# KiCad board mainboard.kicad_pcb (continued)
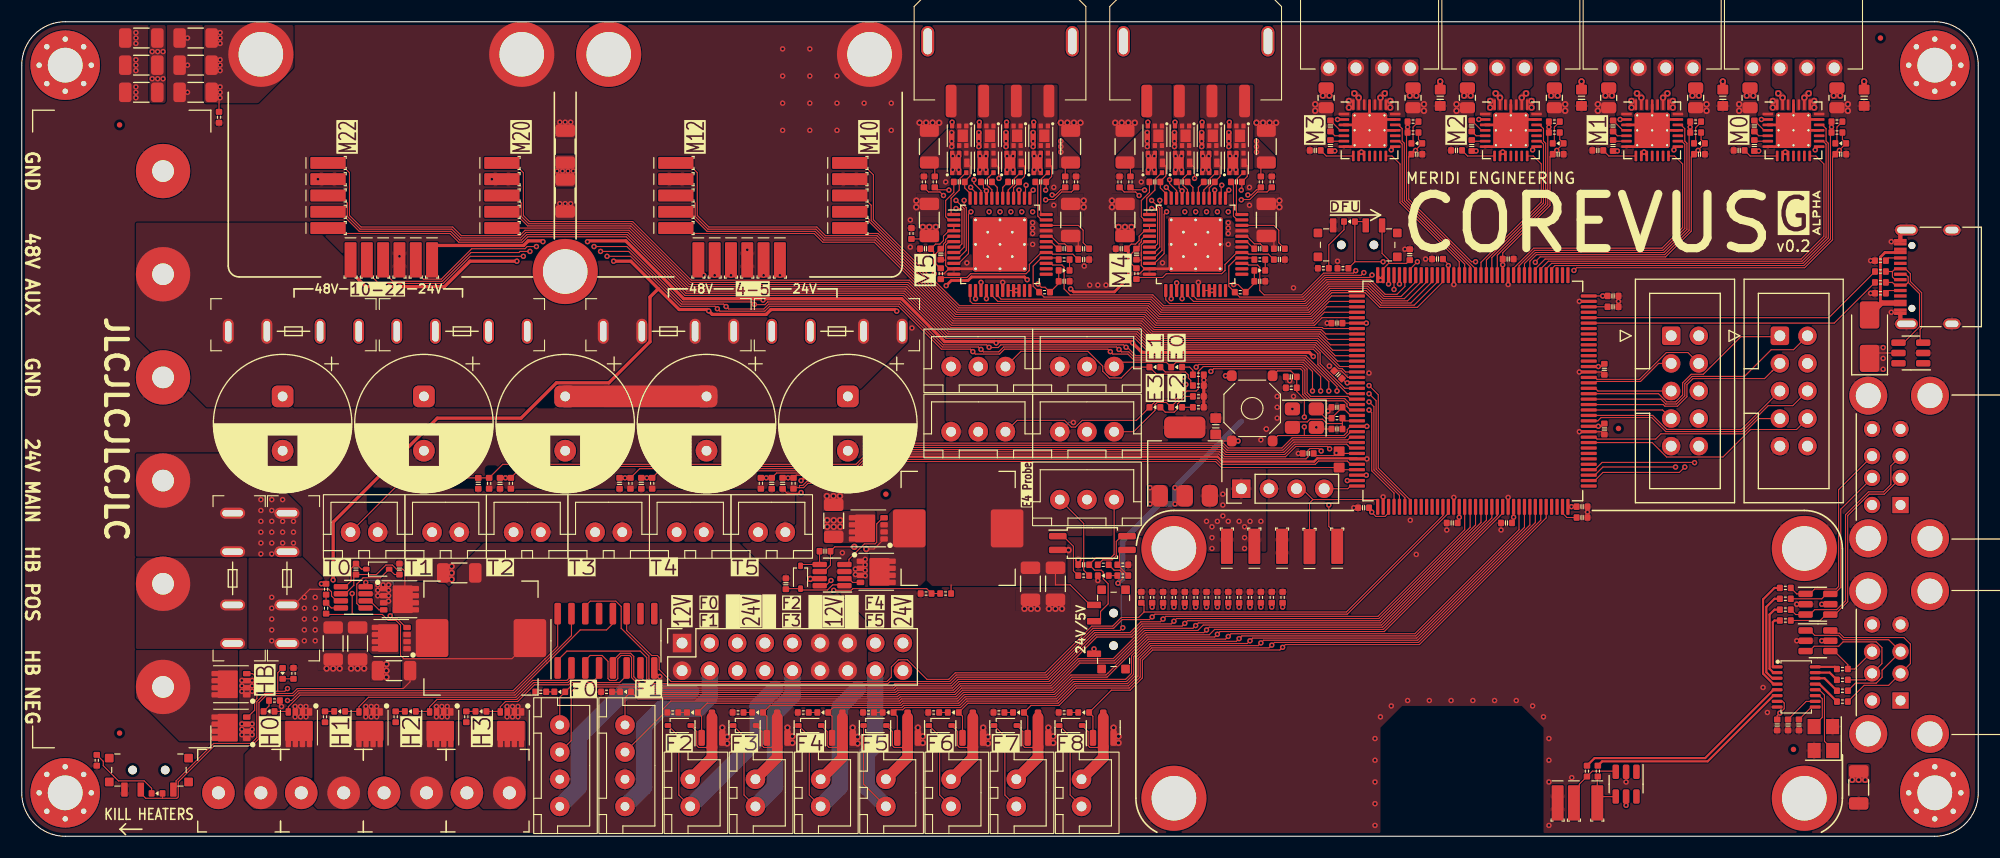
[diagram p0: board, top side]
## Routing (per net, layer and track width the routed paths; a pad name or vN(x,y) marks a point on that pad's centre or on a via; arc(x,y) is an arc through that point) (continued)
/Motor 4 (TMCx160)/Motor_A1: length 3.8
  Top w0.1: Q6.7 110.25,61.7 110.25,60.75 C47.2 109.75,60.2 109.25,59.7 U11.40
/Motor 4 (TMCx160)/Motor_A2: length 4.9
  Top w0.1: Q4.7 112.75,61.7 112.75,60.75 C49.1 112.25,59.55 v1(112.2,59.5) ; U11.37 110.75,59.2 v1(111.05,59.5)
  In1.Cu w0.1: v1(112.2,59.5) v1(111.05,59.5)
/Motor 4 (TMCx160)/Motor_B1: length 3.8
  Top w0.1: Q10.7 105.25,61.7 105.25,60.8 104.75,60.3 C48.2 104.75,59.7 105.25,59.2 U11.48
/Motor 4 (TMCx160)/Motor_B2: length 5.2
  Top w0.1: 106.47,60.03 C50.1 ; Q8.7 107.9,61.55 v1(107.9,60.58) ; U11.45 v1(106.75,59.43) 106.47,59.7 106.47,60.25
  In1.Cu w0.1: v1(107.9,60.58) v1(106.75,59.43)
/Motor 4 (TMCx160)/SRAH: length 16.7
  Top w0.1: v1(112.8,59.05) 113.12,59.05 113.59,59.53 113.78,59.53 R33.2 ; v1(103.95,58.55) 104.7,57.8 104.7,54.25 104.2,53.75 U11.8
  In1.Cu w0.1: v1(112.8,59.05) 112.05,59.05 111.12,58.13 104.38,58.13 v1(103.95,58.55)
/Motor 4 (TMCx160)/SRAL: length 16.5
  Top w0.1: U11.7 104.2,54.25 104.5,54.55 104.5,57.72 104.42,57.8 v1(103.95,57.8) ; R34.2 114.57,59.33 113.68,59.33 112.98,58.63 112.22,58.63 v1(112.2,58.6)
  In1.Cu w0.1: v1(103.95,57.8) 104.07,57.93 111.21,57.93 111.88,58.6 v1(112.2,58.6)
/Motor 4 (TMCx160)/SRBH: length 9.5
  Top w0.1: 102.15,59.6 R36.2 102.22,59.53 103.28,59.53 v1(103.3,59.5) ; U11.9 104.2,53.25 104.9,53.95 104.9,57.88 104.7,58.08 v1(104.7,58.55)
  In1.Cu w0.1: v1(104.7,58.55) 103.75,59.5 v1(103.3,59.5)
/Motor 4 (TMCx160)/SRBL: length 11.5
  Top w0.1: v1(102.8,59) 102.47,59.33 101.43,59.33 R37.2 ; U11.10 104.2,52.75 105.1,53.65 105.1,57.28 v1(105.32,57.5)
  In1.Cu w0.1: v1(105.32,57.5) 104.3,57.5 104.15,57.35 103.75,57.35 103.5,57.6 103.5,58.3 v1(102.8,59)
/Motor 5 (TMCx160)/CA1: length 1.7
  Top w0.1: C62.1 90.25,59.75 U12.42
/Motor 5 (TMCx160)/CA2: length 4.2
  Top w0.1: C64.2 93.47,60.03 93.47,57.11 93.83,56.75 U12.35
/Motor 5 (TMCx160)/CB1: length 4.4
  Top w0.1: C63.1 85.75,59.28 85,58.53 85,57.05 85.3,56.75 U12.2
/Motor 5 (TMCx160)/CB2: length 1.7
  Top w0.1: U12.43 89.75,59.75 C65.2
/Motor 5 (TMCx160)/HA1: length 2.8
  Top w0.1: Q14.3 91.87,61.1 91.25,60.48 91.25,60 90.75,59.5 U12.41
/Motor 5 (TMCx160)/HA2: length 4.6
  Top w0.1: U12.36 93.75,57.25 93.75,60.48 94.37,61.1 Q12.3
/Motor 5 (TMCx160)/HB1: length 4.4
  Top w0.1: Q18.3 86.87,61.1 86.25,60.48 86.25,59.5 85.5,58.75 85.5,57.25
/Motor 5 (TMCx160)/HB2: length 2.8
  Top w0.1: U12.44 89.25,59.53 88.98,59.8 88.97,59.8 88.82,59.95 88.82,60.55 88.97,60.7 88.97,60.7 89.38,61.1 Q16.3
/Motor 5 (TMCx160)/LA1: length 8.2
  Top w0.1: Q15.3 v1(90.6,65.75) ; U12.39 v1(91.75,59.5)
  In1.Cu w0.1: v1(90.6,65.75) 90.1,65.25 90.1,61.15 v1(91.75,59.5)
/Motor 5 (TMCx160)/LA2: length 8.9
  Top w0.1: v1(92.4,59.95) 92.35,59.9 92.35,58.85 U12.38 ; Q13.3 v1(93.1,65.75)
  In1.Cu w0.1: v1(93.1,65.75) 94.15,64.7 94.15,61.2 92.9,59.95 v1(92.4,59.95)
/Motor 5 (TMCx160)/LB1: length 9.1
  Top w0.1: v1(87.3,59.75) 87.3,59.73 87.75,59.28 U12.47 ; Q19.3 v1(85.6,65.75)
  In1.Cu w0.1: v1(87.3,59.75) 86.55,59.75 85.1,61.2 85.1,65.25 v1(85.6,65.75)
/Motor 5 (TMCx160)/LB2: length 9.2
  Top w0.1: Q17.3 v1(88.1,65.75) ; U12.46 88.25,59.45 87.6,60.1 v1(87.6,60.45)
  In1.Cu w0.1: v1(88.1,65.75) 89.15,64.7 89.15,61.22 88.38,60.45 v1(87.6,60.45)
/Motor 5 (TMCx160)/Motor_A1: length 3.8
  Top w0.1: U12.40 91.25,59.7 91.75,60.2 C62.2 92.25,60.75 92.25,61.7 Q14.7
/Motor 5 (TMCx160)/Motor_A2: length 4.9
  Top w0.1: Q12.7 94.75,61.7 94.75,60.75 C64.1 94.25,59.55 v1(94.2,59.5) ; v1(93.05,59.5) 92.75,59.2 U12.37
  In1.Cu w0.1: v1(94.2,59.5) v1(93.05,59.5)
/Motor 5 (TMCx160)/Motor_B1: length 3.8
  Top w0.1: U12.48 87.25,59.2 86.75,59.7 C63.2 86.75,60.3 87.25,60.8 87.25,61.7 Q18.7
/Motor 5 (TMCx160)/Motor_B2: length 5.2
  Top w0.1: U12.45 v1(88.75,59.43) 88.47,59.7 88.47,60.25 ; 88.47,60.03 C65.1 ; v1(89.9,60.58) 89.9,61.55 Q16.7
  In1.Cu w0.1: v1(89.9,60.58) v1(88.75,59.43)
/Motor 5 (TMCx160)/SRAH: length 16.7
  Top w0.1: v1(85.95,58.55) 86.7,57.8 86.7,54.25 86.2,53.75 U12.8 ; R41.2 95.78,59.53 95.59,59.53 95.12,59.05 v1(94.8,59.05)
  In1.Cu w0.1: v1(85.95,58.55) 86.38,58.13 93.12,58.13 94.05,59.05 v1(94.8,59.05)
/Motor 5 (TMCx160)/SRAL: length 16.5
  Top w0.1: v1(94.2,58.6) 94.22,58.63 94.98,58.63 95.68,59.33 96.57,59.33 R42.2 ; U12.7 86.2,54.25 86.5,54.55 86.5,57.72 86.42,57.8 v1(85.95,57.8)
  In1.Cu w0.1: v1(85.95,57.8) 86.08,57.93 93.21,57.93 93.88,58.6 v1(94.2,58.6)
/Motor 5 (TMCx160)/SRBH: length 9.5
  Top w0.1: v1(85.3,59.5) 85.28,59.53 84.22,59.53 R44.2 84.15,59.6 ; v1(86.7,58.55) 86.7,58.08 86.9,57.88 86.9,53.95 86.2,53.25 U12.9
  In1.Cu w0.1: v1(86.7,58.55) 85.75,59.5 v1(85.3,59.5)
/Motor 5 (TMCx160)/SRBL: length 11.5
  Top w0.1: R45.2 83.42,59.33 84.47,59.33 v1(84.8,59) ; v1(87.33,57.5) 87.1,57.28 87.1,53.65 86.2,52.75 U12.10
  In1.Cu w0.1: v1(84.8,59) 85.5,58.3 85.5,57.6 85.75,57.35 86.15,57.35 86.3,57.5 v1(87.33,57.5)
/Pi Zero + USB Hub/D1+: length 10.5
  Top w0.2: R75.2 161.25,22.87 160.2,21.82 160.2,14.98 161.17,14.01 U13.4
/Pi Zero + USB Hub/D1+': length 17.5
  Top w0.1: R75.1 163.3,22.32 U2.1 ; 170.24,35 167.15,31.91 167.15,23 166.92,22.77 164.95,22.77 164.7,22.52
/Pi Zero + USB Hub/D1-: length 8.8
  Top w0.2: R76.2 161.25,21.87 160.5,21.12 160.5,15.1 161.05,14.55 U13.3
/Pi Zero + USB Hub/D1-': length 15
  Top w0.1: 170.24,33 167.35,30.11 167.35,22.92 166.95,22.52 ; R76.1 165.6,21.87 165.85,22.12
/Pi Zero + USB Hub/D2+: length 7
  Top w0.2: U13.2 161.16,15.07 160.8,15.43 160.8,20.42 161.25,20.87 R77.2
/Pi Zero + USB Hub/D2+': length 21.5
  Top w0.1: 164.55,20.47 164.95,20.87 166.97,20.87 167.79,21.68 167.79,29.61 169.89,31.71 171.29,31.71 171.96,32.38 171.96,34.1 172.86,35 ; U2.3 163.2,20.42 R77.1
/Pi Zero + USB Hub/D2-: length 4.8
  Top w0.2: R78.2 161.25,19.87 161.1,19.72 161.1,15.6
/Pi Zero + USB Hub/D2-': length 19.7
  Top w0.1: R78.1 165.45,19.87 165.95,20.37 ; U2.4 166.81,20.42 167.99,21.6 167.99,29.52 169.96,31.5 171.36,31.5 172.86,33
/Pi Zero + USB Hub/D3+: length 2.1
  Top w0.2: U13.16 166.8,15.6 R79.2
/Pi Zero + USB Hub/D3+': length 5
  Top w0.1: 170.24,17 168.64,15.4 R79.1 168,15.8 166.8,17
/Pi Zero + USB Hub/D3-: length 2.3
  Top w0.2: U13.15 166.33,15.07 R80.2
/Pi Zero + USB Hub/D3-': length 12.4
  Top w0.1: R80.1 169.64,14.4 171.14,15.9 171.14,17.37 170.61,17.9 167.56,17.9 167.16,17.5 164.9,17.5 164.5,17.1
/Pi Zero + USB Hub/D4+: length 2.5
  Top w0.2: R81.2 165.85,14.55 U13.14
/Pi Zero + USB Hub/D4+': length 15.8
  Top w0.1: 164.55,18.9 164.95,18.5 167.15,18.5 167.55,18.1 171.76,18.1 172.86,17 171.15,15.29 171.15,14.64 170.61,14.1 168.7,14.1 R81.1
/Pi Zero + USB Hub/D4-: length 2.7
  Top w0.2: R82.2 165.39,14.01 U13.13
/Pi Zero + USB Hub/D4-': length 16.8
  Top w0.1: 166.4,18.7 167.23,18.7 167.63,18.3 173.15,18.3 173.76,17.69 173.76,15.9 171.76,13.9 169.5,13.9 R82.1
/Pi Zero + USB Hub/DU+: length 19.2
  Top w0.2: R69.1 145.4,6.9 155.11,6.9 161.16,12.95 U13.6
/Pi Zero + USB Hub/DU+': length 5
  Top w0.1: R69.2 144.95,5.45 T45.1 ; 144.95,3.65 146.64,3.65 U4.4
/Pi Zero + USB Hub/DU-: length 20.4
  Top w0.2: R70.1 144.7,7.2 154.88,7.2 161.17,13.49 U13.5
/Pi Zero + USB Hub/DU-': length 4.2
  Top w0.1: 143.3,4.5 143.3,4.8 R70.2 144.5,6 146.59,6 U4.3
/Probe: length 2.8
  Top w0.1: R96.2 101.8,24.01 100.81,25 R11.1 101,25.2 101,26.25
/SD_CS: length 11.6
  Top w0.1: J28.4 153.29,44.54 151.31,44.54 148.84,42.08 144.93,42.08 144.75,42.25 U1.93
/SD_Det: length 7.9
  Top w0.1: J28.7 150.96,39.25 U1.87
/SPI1_MISO: length 125.7
  Top w0.1: v1(52.65,54.3) 55.67,54.3 60.77,49.2 67.17,49.2 v1(67.4,48.98) 67.42,48.95 68.38,48.95 68.62,49.2 68.62,49.2 80.83,49.2 84.78,45.25 88.78,45.25 v1(89,45.03) 89.03,45 89.82,45 90.07,45.25 101.38,45.25 v1(101.6,45.03) 101.71,45.03 102.48,44.25 118.15,44.25 121,41.4 v1(121,41) ; U11.16 v1(106.75,49.5) ; U12.16 v1(88.75,49.5) ; U1.42 127.25,31.17 124.6,33.82 124.6,40.1 v1(123.95,40.75) ; v1(47.35,54.3) 46.5,54.3 46.3,54.1 41.4,54.1 38.6,51.3 36.95,51.3 36.25,52
  In2.Cu w0.1: v1(88.75,49.5) 88.45,49.2 88.45,46.18 89,45.63 v1(89,45.03) ; v1(52.65,54.3) 52.65,54.75 51.85,55.55 48.15,55.55 47.35,54.75 v1(47.35,54.3) ; v1(123.95,40.75) 121.25,40.75 v1(121,41) ; v1(101.6,45.03) 101.6,45.51 101.94,45.85 103.42,45.85 106.75,49.18 v1(106.75,49.5) ; v1(67.4,48.98) 67.4,50.8 v1(68.25,51.65)
/SPI1_MOSI: length 132.8
  Top w0.1: 33.25,52 34.15,51.1 38.68,51.1 41.33,53.75 45.75,53.75 45.85,53.85 v1(46.75,53.85) ; U12.15 v1(88.25,51) ; U11.15 v1(106.25,50.95) ; U1.43 127.75,30.95 124.8,33.9 124.8,40.65 v1(123.95,41.5) ; v1(120.25,41) 120.25,41.87 118.07,44.05 102.4,44.05 101.85,44.6 101.18,44.6 v1(100.95,44.83) 100.72,45.05 90.33,45.05 89.88,44.6 88.47,44.6 v1(88.25,44.83) 88.03,45.05 84.7,45.05 80.75,49 68.72,49 68.28,48.55 65.03,48.55 v1(64.8,48.78) 64.58,49 60.69,49 55.84,53.85 v1(53.25,53.85)
  In2.Cu w0.1: v1(88.25,51) v1(88.25,44.83) ; 106.25,51 106.25,48.96 103.34,46.05 101.86,46.05 100.95,45.14 v1(100.95,44.83) ; v1(64.8,48.78) 64.8,51.2 v1(65.25,51.65) ; v1(53.25,53.85) 52.32,53.85 51.22,54.95 48.78,54.95 47.68,53.85 v1(46.75,53.85) ; v1(123.95,41.5) 123.65,41.2 121.45,41.2 121.2,41.45 120.7,41.45 v1(120.25,41)
/SPI1_SCK: length 131
  Top w0.1: v1(123.95,40) 124.4,39.55 124.4,33.73 126.75,31.38 U1.41 ; 31.75,52 32.85,50.9 38.77,50.9 41.27,53.4 v1(46.15,53.4) ; U12.14 v1(87.75,49.5) ; v1(53.85,53.4) 56.01,53.4 60.61,48.8 63.78,48.8 v1(64,48.58) 64.22,48.35 68.36,48.35 68.81,48.8 80.66,48.8 84.61,44.85 87.28,44.85 v1(87.5,44.63) 87.72,44.4 89.97,44.4 90.42,44.85 99.93,44.85 v1(100.15,44.63) 100.38,44.4 101.77,44.4 102.32,43.85 117.98,43.85 119.5,42.33 v1(119.5,41) ; 63.75,52 v1(63.75,51.65) ; U11.14 v1(105.75,49.5)
  In2.Cu w0.1: v1(123.95,40) 123.4,40.55 119.95,40.55 v1(119.5,41) ; v1(64,48.58) 64,51.4 v1(63.75,51.65) ; v1(105.75,49.5) 105.75,48.75 103.25,46.25 101.78,46.25 v1(100.15,44.63) ; v1(46.15,53.4) 47.51,53.4 48.86,54.75 51.14,54.75 52.49,53.4 v1(53.85,53.4) ; v1(87.75,49.5) 88.05,49.2 88.05,45.6 87.5,45.05 v1(87.5,44.63)
/SPI2_MISO: length 21.1
  Top w0.1: v1(152.15,34) 145.47,34 144.72,33.25 U1.75
  In2.Cu w0.1: 152.75,35.95 152.75,34.75 152.15,34.15 v1(152.15,34) ; 152.75,35.95 152.75,35.9 ; 152.75,35.95 152.75,45.08 J28.1
/SPI2_MOSI: length 17.3
  Top w0.1: v1(153.9,34.4) 153.88,34.43 145.39,34.43 144.72,33.75 U1.76
  In2.Cu w0.1: v1(153.9,34.4) 153.29,35.01 153.29,40 J28.6
/SPI2_SCK: length 22
  Top w0.1: U1.74 144.72,32.75 145.47,33.5 152.5,33.5 v1(153,34)
  In2.Cu w0.1: J28.2 153,44.79 v1(153,34)
/T0: length 96.8
  Top w0.1: U1.26 122.28,37.25 121.73,36.7 116.89,36.7 115.94,35.75 110.99,35.75 110.54,36.2 78.7,36.2 76.75,34.25 44.25,34.25 R15.1 C6.2 35.25,33 J8.2
/T1: length 89.6
  Top w0.1: C7.2 v1(44.5,33) R16.1 46.05,34.05 76.83,34.05 78.78,36 110.46,36 110.91,35.55 116.02,35.55 116.97,36.5 122,36.5 122.25,36.75 U1.27
  In2.Cu w0.1: J7.2 42.75,33 v1(44.5,33)
/T2: length 81.9
  Top w0.1: C8.2 v1(55.5,33) R17.1 56.85,33.85 76.92,33.85 78.87,35.8 110.37,35.8 110.82,35.35 116.1,35.35 117.05,36.3 122.2,36.3 122.25,36.25 U1.28
  In2.Cu w0.1: v1(55.5,33) 51.55,29.05 46.3,29.05 J9.2
/T3: length 74.6
  Top w0.1: C9.2 v1(57.5,33) R18.1 58.65,33.65 77,33.65 78.95,35.6 110.29,35.6 110.74,35.15 116.18,35.15 117.13,36.1 121.9,36.1 122.25,35.75 U1.29
  In2.Cu w0.1: v1(57.5,33) 57.5,32.75 J10.2
/T4: length 70
  Top w0.1: R51.1 v1(68.5,33) C77.2 69.45,33.45 77.08,33.45 79.03,35.4 110.21,35.4 110.66,34.95 116.27,34.95 117.22,35.9 120.1,35.9 v1(120.32,35.68) ; U1.34 v1(123.7,33.25)
  In2.Cu w0.1: v1(120.32,35.68) 120.32,34.98 122.06,33.25 v1(123.7,33.25) ; v1(68.5,33) 65.25,33 J11.2
/T5: length 62.4
  Top w0.1: C78.2 v1(70.5,33) R56.1 71.25,33.25 77.16,33.25 79.11,35.2 110.12,35.2 110.57,34.75 118.15,34.75 118.35,34.95 118.35,35.54 118.51,35.7 119.32,35.7 v1(119.55,35.48) ; U1.35 v1(121.95,32.75)
  In1.Cu w0.1: v1(121.95,32.75) 121.95,32.92
  In2.Cu w0.1: v1(121.95,32.75) 121.95,33.08 v1(119.55,35.48) ; J12.2 67.75,30.25 v1(70.5,33)
/USART2_RX: length 11
  Top w0.1: T36.1 118.47,30.69 118.79,31 ; 118.79,31 124.75,31 ; 118.79,31 117.79,32
/USART2_TX: length 7.2
  Top w0.1: U1.36 122.25,32.25 122,32 120.33,32 ; v1(120.25,30.5) 120.25,28.53 121,27.78
  In2.Cu w0.1: 120.33,32 120.25,31.92 v1(120.25,30.5)
VMB: length 34
  Top w0.1: C66.1 83.22,55 R9.1 ; C39.2 115.2,55.2 ; C54.2 97.2,55.2
  Top w2: C14.1 C13.1
  In2.Cu w0.5: v1(111,55.5) v1(111,57.5) ; v1(93,55.5) v1(93,57.5)
  In2.Cu w2: C14.1 C13.1
  vias: v1(85.65,62.63) v1(85.65,61.38) v1(86.2,62.63) v1(86.2,61.38) v1(88.15,62.63) v1(88.15,61.38) v1(88.7,62.63) v1(88.7,61.38) v1(89,57.5) v1(90,57.5) v1(90.65,62.63) v1(90.65,61.38) v1(91,57.5) v1(91.2,62.63) v1(91.2,61.38) v1(92,57.5) v1(93,56.5) v1(93,56) v1(93.15,62.63) v1(93.15,61.38) v1(93.7,62.63) v1(93.7,61.38) v1(103.65,62.63) v1(103.65,61.38) v1(104.2,62.63) v1(104.2,61.38) v1(106.15,62.63) v1(106.15,61.38) v1(106.7,62.63) v1(106.7,61.38) v1(107,57.5) v1(108,57.5) v1(108.65,62.63) v1(108.65,61.38) v1(109,57.5) v1(109.2,62.63) v1(109.2,61.38) v1(110,57.5) v1(111,56.5) v1(111,56) v1(111.15,62.63) v1(111.15,61.38) v1(111.7,62.63) v1(111.7,61.38) v2(82.9,56.1) v2(83.5,56.1) v2(84.1,56.1) v2(100.9,56.1) v2(101.5,56.1) v2(102.1,56.1)
VMC: length 1.3
  Top w0.1: R8.1 18.15,67.9 v1(18.25,68)
  vias: v1(12,72.25) v1(12,69.75) v1(12.5,72.25) v1(12.5,69.75) v1(13,72.25) v1(13,69.75) v1(18.25,74) v1(18.25,73.5) v1(18.25,73) v1(18.25,71.5) v1(18.25,71) v1(18.25,70.5) v1(18.25,69) v1(18.25,68.5) v1(49.25,61.25) v1(49.75,61.25) v1(50.25,61.25) v1(50.75,61.25)
Net-(D1-K): length 4.9
  Top w0.1: D1.1 121.65,55.85 120.25,54.45 R2.2
Net-(D2-K): length 1
  Top w0.1: D2.1 R13.1
Net-(D3-A): length 9.5
  Top w0.25: J1.B4 171.42,53.75 171,53.33 171,49.2 171.1,49.1
  Top w0.5: D3.2 171.1,49.1 172.8,49.1
Net-(D5-K): length 0.8
  Top w0.1: D5.1 R49.1
Net-(D6-A): length 1.7
  Top w0.1: 106.75,43.4 D6.2 107.45,43.2 107.75,42.9 R52.1
Net-(D7-A): length 4.2
  Top w0.1: 104.75,43.4 D7.2 105.2,42.75 107.05,42.75 107.32,42.48 107.32,42.2 107.55,41.97 107.55,41.7 R55.1
Net-(D8-A): length 1
  Top w0.1: D8.2 R104.1
Net-(D9-K): length 0.8
  Top w0.1: D9.1 R59.1
Net-(D10-K): length 1.2
  Top w0.1: R61.1 22.75,12 D10.1
Net-(D11-K): length 0.8
  Top w0.1: D11.1 R63.1
Net-(D12-K): length 0.8
  Top w0.1: D12.1 R65.1
Net-(D18-A): length 50.6
  Top w0.1: 12.95,3.5 14.27,3.5 14.4,3.63 14.4,5.01 17.74,8.35 21.18,8.35 21.83,8.99 21.83,12.3 22.47,12.95 24.98,12.95 25.43,13.4 45.21,13.4 48.16,16.35 48.17,16.35 49.31,17.49 49.31,20.25 ; 12.95,3.5 11.4,3.5 10.95,3.95 SW9.2 ; 12.95,3.5 D18.2
Net-(D18-K): length 7
  Top w0.1: D18.1 11.95,4.42 11.27,5.1 8.9,5.1 8.6,5.4 8.6,5.4 8.45,5.55 8.45,5.55 7.5,6.5 7.5,6.9 R53.2
Net-(D19-K): length 1.1
  Top w0.1: D19.1 R98.1 114.3,53.1
Net-(D20-K): length 1
  Top w0.1: D20.1 R99.1
Net-(D21-K): length 2.3
  Top w0.1: D21.1 167,63.95 167,65.3 R22.1 167.5,65.75
Net-(D22-K): length 2.3
  Top w0.1: R28.1 154.5,65.75 154,65.25 154,63.95 D22.1
Net-(D23-K): length 2.3
  Top w0.1: 141.5,65.75 R101.1 141,65.3 141,63.95 D23.1
Net-(D24-K): length 2.3
  Top w0.1: D24.1 128,63.95 128,65.3 R103.1 128.5,65.75
Net-(D25-A): length 4.1
  Top w0.1: D25.2 105.2,39.05 106.03,39.05 106.32,39.35 106.32,39.8 107.02,40.5 R25.1
Net-(D26-K): length 0.8
  Top w0.1: R31.1 D26.1
Net-(D28-K): length 0.8
  Top w0.1: D28.1 R39.1
Net-(D29-K): length 0.8
  Top w0.1: D29.1 R47.1
Net-(D30-A): length 10.1
  Top w0.1: 63.5,8.2 63.47,8.18 62.28,8.18 62.1,8.35 62.1,9.65 D30.2
  Top w1: Q22.3 63.5,7.25 J17.2
Net-(D31-A): length 10.1
  Top w0.1: D31.2 68.1,9.65 68.1,8.35 68.28,8.18 69.47,8.18 69.5,8.2
  Top w1: Q27.3 69.5,7.25 J18.2
Net-(D32-K): length 0.8
  Top w0.1: D32.1 R48.1
Net-(D33-K): length 0.8
  Top w0.1: R50.1 D33.1
Net-(D34-K): length 0.8
  Top w0.1: R54.1 D34.1
Net-(D35-K): length 0.8
  Top w0.1: R57.1 D35.1
Net-(D36-A): length 10.1
  Top w0.1: 75.5,8.2 75.47,8.18 74.28,8.18 74.1,8.35 74.1,9.65 D36.2
  Top w1: Q28.3 75.5,7.25 J19.2
Net-(D37-A): length 10.1
  Top w0.1: 81.5,8.2 81.47,8.18 80.28,8.18 80.1,8.35 80.1,9.65 D37.2
  Top w1: Q29.3 81.5,7.25 J32.2
Net-(D38-A): length 10.1
  Top w0.1: D38.2 86.1,9.65 86.1,8.35 86.28,8.18 87.47,8.18 87.5,8.2
  Top w1: Q30.3 87.5,7.25 J33.2
Net-(D39-A): length 10.1
  Top w0.1: 93.5,8.2 93.47,8.18 92.28,8.18 92.1,8.35 92.1,9.65 D39.2
  Top w1: Q31.3 93.5,7.25 J34.2
Net-(D40-K): length 0.8
  Top w0.1: D40.1 R58.1
Net-(D41-A): length 10.1
  Top w0.1: D41.2 98.1,9.65 98.1,8.35 98.28,8.18 99.47,8.18 99.5,8.2
  Top w1: Q32.3 99.5,7.25 J35.2
Net-(D46-A): length 7.5
  Top w0.1: C88.1 34.3,24.1 D46.2 33,23.8 31.41,23.8 30.83,23.21 30.83,21.44 31.24,21.03 U15.1
Net-(D46-K): length 4.5
  Top w0.1: D46.1 31.25,24.6 C89.1 30.3,24.65 30.3,23.51 29.77,22.98 U15.5 28.95,22.98
Net-(D48-A): length 5.7
  Top w0.1: C94.1 70.35,22.8 D48.2 71.78,22.68 74.12,22.68 74.6,23.15 75.61,23.15 U5.1
Net-(D48-K): length 3
  Top w0.1: C95.1 73.4,25.04 U5.5 71.78,25.03 D48.1
Net-(D49-A): length 0.8
  Top w0.1: D49.2 R96.1
Net-(J1-CC1): length 1.4
  Top w0.1: R6.2 171.75,50.25 J1.A5
Net-(J1-CC2): length 1.4
  Top w0.1: R7.2 171.75,53.25 J1.B5
Net-(J2-Pin_1): length 14.8
  Top w0.1: 98.65,19.75 99,19.75 99.25,20 99.25,20.7 99.95,21.4 99.95,23.25 99.5,23.7 99.5,24.31 99.31,24.5 98.7,24.5 C5.1 98.85,25.65 100.2,25.65 100.5,25.95 J2.1
Net-(J2-Pin_3): length 8.1
  Top w0.1: J2.3 97.7,28.8 97.7,24.5 R10.1
Net-(J3-Pin_4):
  vias: v1(22,31) v1(22,30) v1(22,29) v1(22,28) v1(22,27) v1(22,26) v1(23,31) v1(23,30) v1(23,29) v1(23,28) v1(23,27) v1(23,26) v1(24,31) v1(24,29) v1(24,28) v1(24,27) v1(25,29) v1(25,28) v1(25,27)
Net-(OC1-Pad1): length 4.7
  Top w0.1: R10.2 96.75,24.45 96.75,26.7 95.81,27.64 OC1.1
Net-(OC1-Pad4): length 4.5
  Top w0.1: R12.1 99.45,25.45 100.3,25.45 100.7,25.85 100.7,27.15 101.19,27.64 OC1.4
Net-(Q5-S-Pad4): length 1.5
  Top w0.1: R33.1 114,61.54 R35.1
  vias: v1(108.55,64.8) v1(108.55,64) v1(108.55,63.5) v1(111.05,64.8) v1(111.05,64) v1(111.05,63.5) v1(113.6,64) v1(113.6,63.5) v1(113.6,63)
Net-(Q11-S-Pad4): length 1.5
  Top w0.1: R36.1 102,61.54 R38.1
  vias: v1(103.55,64.8) v1(103.55,64) v1(103.55,63.5) v1(106.05,64.8) v1(106.05,64) v1(106.05,63.5)
Net-(Q13-S-Pad4): length 1.5
  Top w0.1: R43.1 96,61.54 R41.1
  vias: v1(90.55,64.8) v1(90.55,64) v1(90.55,63.5) v1(93.05,64.8) v1(93.05,64) v1(93.05,63.5) v1(95.6,64) v1(95.6,63.5) v1(95.6,63)
Net-(Q17-S-Pad4): length 1.5
  Top w0.1: R44.1 84,61.54 R46.1
  vias: v1(85.55,64.8) v1(85.55,64) v1(85.55,63.5) v1(88.05,64.8) v1(88.05,64) v1(88.05,63.5)
Net-(Q34-G): length 2
  Top w0.1: Q34.4 32.86,20.85 32.04,21.68 U15.2
Net-(Q35-G): length 8.7
  Top w0.1: 31.65,23.4 31.64,23.39 U15.4 31.24,22.98 ; v1(33.9,20.3) 34.12,20.08 34.51,20.08 35.36,19.23 Q35.4
  Bottom w0.1: 31.65,23.4 v1(31.65,23.38) 31.85,23.58 33.93,23.58 34.17,23.33 34.17,20.58 v1(33.9,20.3)
Net-(Q36-G): length 1.6
  Top w0.1: U5.2 76.09,23.73 76.44,23.38 Q36.4
Net-(Q37-G): length 6.3
  Top w0.1: Q37.4 79.22,29.33 78.66,28.76 78.66,27.07 78.51,26.93 77.53,26.93 76.1,25.5 76.1,25.05
Net-(U1-NRST): length 17.7
  Top w0.1: SW3.2 115.53,42.85 116.75,42.85 C38.1 R19.2 117.3,40.95 118,40.25 v1(118,38.6) ; 118,36.9 v1(118,37.7) ; 118,36.9 121.63,36.9 121.95,37.22 121.95,37.45 122.25,37.75 U1.25 v1(123.75,37.75) ; 118,36.9 115.57,36.9 SW3.2
  In2.Cu w0.1: v1(118,38.6) v1(118,37.7)
Net-(U1-PA11): length 27.9
  Top w0.1: U1.103 166.75,47.25 R4.1
Net-(U1-PA12): length 28.1
  Top w0.1: U1.104 166.25,47.75 R5.1
Net-(U1-PH0): length 4.8
  Top w0.1: Y1.1 119.95,38.5 R3.1 C1.2 122.25,38.75 U1.23
Net-(U1-PH1): length 7.5
  Top w0.1: Y1.3 117.4,38.15 118.26,38.15 118.51,38.4 119.69,38.4 120.09,38 121.5,38 ; 121.5,38 R3.2 121.75,38.25 U1.24 ; 121.5,38 C2.2
Net-(U1-VCAP_1): length 2.1
  Top w0.1: U1.71 141.75,29.75 142.15,29.35 C4.1
Net-(U1-VCAP_2): length 1.7
  Top w0.1: C3.1 U1.106
Net-(U1-VREF+): length 52.7
  Top w0.1: U1.32 122.25,34.25 121.95,34.55 119.3,34.55 119,34.25 110.37,34.25 109.92,34.7 79.32,34.7 77.32,32.7 72.25,32.7 72.25,32.7 71.85,32.3 NT2.2
Net-(U5-FB): length 12.3
  Top w0.1: v1(74.45,23.55) 73.97,23.08 U5.8 ; R95.1 R94.1 83.25,22.8 76.46,22.8 76.31,22.65 v1(74.7,22.65)
  In2.Cu w0.1: v1(74.45,23.55) 74.45,22.9 v1(74.7,22.65)
Net-(U5-PHASE): length 8.1
  Top w0.1: Q37.1 78.41,26.45 v2(77.7,26.45) ; v2(76.6,26.65) 74.8,26.65 C95.2 74.4,24.96 73.81,24.38 U5.6
  In1.Cu w0.1: v2(77.7,26.45) 76.8,26.45 v2(76.6,26.65)
Net-(U7-5VOut): length 3.2
  Top w0.1: U7.8 159.01,62.64 C19.2
Net-(U7-CPI): length 1.4
  Top w0.1: U7.5 159.8,64.5 C21.2
Net-(U7-CPO): length 1.6
  Top w0.1: U7.4 160.3,65 C21.1
Net-(U7-VCP): length 1.3
  Top w0.1: C20.1 159.5,64 U7.6
Net-(U8-5VOut): length 3.2
  Top w0.1: U8.8 146.01,62.64 C24.2
Net-(U8-CPI): length 1.4
  Top w0.1: U8.5 146.8,64.5 C26.2
Net-(U8-CPO): length 1.6
  Top w0.1: C26.1 147.3,65 U8.4
Net-(U8-VCP): length 1.3
  Top w0.1: C25.1 146.5,64 U8.6
Net-(U9-5VOut): length 3.2
  Top w0.1: C29.2 133.01,62.64 U9.8
Net-(U9-CPI): length 1.4
  Top w0.1: U9.5 133.8,64.5 C31.2
Net-(U9-CPO): length 1.6
  Top w0.1: U9.4 134.3,65 C31.1
Net-(U9-VCP): length 1.3
  Top w0.1: U9.6 133.5,64 C30.1
Net-(U10-5VOut): length 3.2
  Top w0.1: U10.8 120.01,62.64 C34.2
Net-(U10-CPI): length 1.4
  Top w0.1: U10.5 120.8,64.5 C36.2
Net-(U10-CPO): length 1.6
  Top w0.1: C36.1 121.3,65 U10.4
Net-(U10-VCP): length 1.3
  Top w0.1: C35.1 120.5,64 U10.6
Net-(U11-5VOUT): length 4.2
  Top w0.1: 102.55,52.25 102.1,52.7 102.1,53.65 102.5,54.05 102.55,54.05 102.8,54.3 102.8,54.53 103,54.73 103,54.95 103.3,55.25 U11.5
Net-(U11-CPI): length 2.6
  Top w0.1: C40.1 113.95,54.55 113.4,54.55 112.7,55.25 U11.32
Net-(U11-CPO): length 1.4
  Top w0.1: C40.2 113.35,54.1 112.7,54.75 U11.31
Net-(U11-VCC): length 14.3
  Top w0.1: C43.2 114.7,53.6 112.85,53.6 112.7,53.75 U11.29 111.8,53.75 110.7,52.65 110.7,52.1 110.68,52.08 110.68,52.07 110.4,51.8 105.3,51.8 104.95,51.45 102.75,51.45 102.55,51.25
Net-(U11-VCP): length 5.5
  Top w0.1: U11.34 115.2,56.25 115.65,55.8 115.65,54.65 C39.1
Net-(U12-5VOUT): length 4.2
  Top w0.1: 84.55,52.25 84.1,52.7 84.1,53.65 84.5,54.05 84.55,54.05 84.8,54.3 84.8,54.53 85,54.73 85,54.95 85.3,55.25 U12.5
Net-(U12-CPI): length 2.6
  Top w0.1: U12.32 94.7,55.25 95.4,54.55 95.95,54.55 C55.1
Net-(U12-CPO): length 1.4
  Top w0.1: C55.2 95.35,54.1 94.7,54.75 U12.31
Net-(U12-VCC): length 14.3
  Top w0.1: 84.55,51.25 84.75,51.45 86.95,51.45 87.3,51.8 92.4,51.8 92.68,52.07 92.68,52.08 92.7,52.1 92.7,52.65 93.8,53.75 U12.29 94.7,53.75 94.85,53.6 96.7,53.6 C58.2
Net-(U12-VCP): length 5.5
  Top w0.1: C54.1 97.65,54.65 97.65,55.8 97.2,56.25 U12.34
Net-(U13-VDD18): length 3.2
  Top w0.1: C76.1 164.17,12.42 U13.10
Net-(U13-VDD33): length 2
  Top w0.1: C93.1 164.65,11.9 U13.9
Net-(U13-XIN): length 5.6
  Top w0.1: U13.12 165.36,13.49 165.85,13 165.85,8.75 166.05,8.55
Net-(U13-XOUT): length 3.6
  Top w0.1: Y2.3 164.9,10.2 165.65,10.95 165.65,12.65 165.35,12.95 U13.11
Net-(U15-FB): length 2.3
  Top w0.1: R92.1 R93.1 28.47,21.03 U15.8
Net-(U15-PHASE): length 12
  Top w0.1: 34.17,22.7 Q34.8 35.25,22.03 35.25,24.4 35.05,24.6 34.47,24.6 34.1,24.98 33.5,24.98 32.63,24.1 C89.2 30.55,23.9 30.55,23.11 29.76,22.33 U15.6 28.96,22.33
Net-(U16-IO2): length 10.8
  Top w0.1: U16.3 174.65,45.74 174.65,46.68 174.79,46.83 174.79,50.04 173.75,51.08 173.75,51.8 173.3,52.25 J1.B6 172.35,52.25 172.1,52 ; 172.1,52 172.1,51.5 172.35,51.25 J1.A6 ; 172.1,52 R5.2
Net-(U16-IO3): length 10.6
  Top w0.1: 173.56,51 173.31,50.75 J1.B7 172.35,50.75 172.1,51 R4.2 ; 173.56,51 174.59,49.96 174.59,46.91 173.13,45.45 U16.4 ; 173.56,51 173.56,51.5 173.31,51.75 J1.A7

## Copper pours and planes (outline as drawn; the poured copper is in the pictures)
+3.3V on Top: 107.75,32.35 107.75,30.35 105.85,30.35 105.85,32.35
+3.3V on Top: 85,44.75 85,35.75 116,35.75 117,36.75 118,36.75 118,40.25 115.25,43 104,43 102.25,44.75
+3.3V on Bottom: 111.25,37.75 127,53.5 146,53.5 146,33.5 141.5,29 124.5,29 118.5,35 114,35
+5V on Top: 169.5,45.25 169.5,42.75 171.5,42.75 171.5,45.25
+5V on Top: 96.1,23.05 83.75,23.05 83.25,23.55 83.25,34.5 108.15,34.5 108.15,28.65 107.15,27.65 96.1,27.65
+5V on Top: 170,6.65 170,4.9 168,4.9 168,6.65
+5V on Top: 107.6,34.5 114.5,34.5 114.5,26.2 108.9,26.2 107.6,27.5
+5V on Bottom: 180,56 148.5,56 146,53.5 146,33.5 141.5,29 124.5,29 118.5,35 108.5,35 101,27.5 101,0 180,0
+12V on Top: 35,16.5 39.1,16.5 39.35,16.75 39.35,22.9 40,23.53 40,24.5 42.5,27 49.75,27 49.75,19.5 49.25,19 49.25,15.5 47.25,13.5 35,13.5
+12V on Top: 49.25,27 66,27 70.25,22.75 74.75,22.75 77.75,19.75 77.75,14 59.5,14 58.5,15 58.5,15.75 52.75,21.5 49.25,21.5
+24V on Top: 20.75,25.75 25.75,25.75 27.75,23.75 27.75,20.75 28,20.5 34,20.5 34.75,19.75 34.75,16.75 32.25,16.75 31.75,17.25 20.75,17.25
+24V on Top: 78.55,27.05 78.55,29.95 73.8,29.95 73.8,27 78.5,27
+24V on Bottom: 180,75 112.5,75 112.5,56.5 101,45 76,45 65,34 33.5,34 10,10.5 10,0 101,0 101,27.5 127,53.5 146,53.5 148.5,56 180,56
GND on Top: 115.7,64.05 113.3,64.05 113.3,66.05 115.7,66.05
GND on Top: 167.9,67.9 166.1,67.9 166.1,66.2 167.9,66.2
GND on Top: 49,58.25 51,58.25 51,56.75 49,56.75
GND on Top: 128.9,67.9 127.1,67.9 127.1,66.2 128.9,66.2
GND on Top: 95.95,22.75 96.45,22.25 96.45,20.75 91.45,20.75 91.45,22.75
GND on Top: 82,75 82,68 42,68 42,75
